# KiCad board OroLink.kicad_pcb (continued)
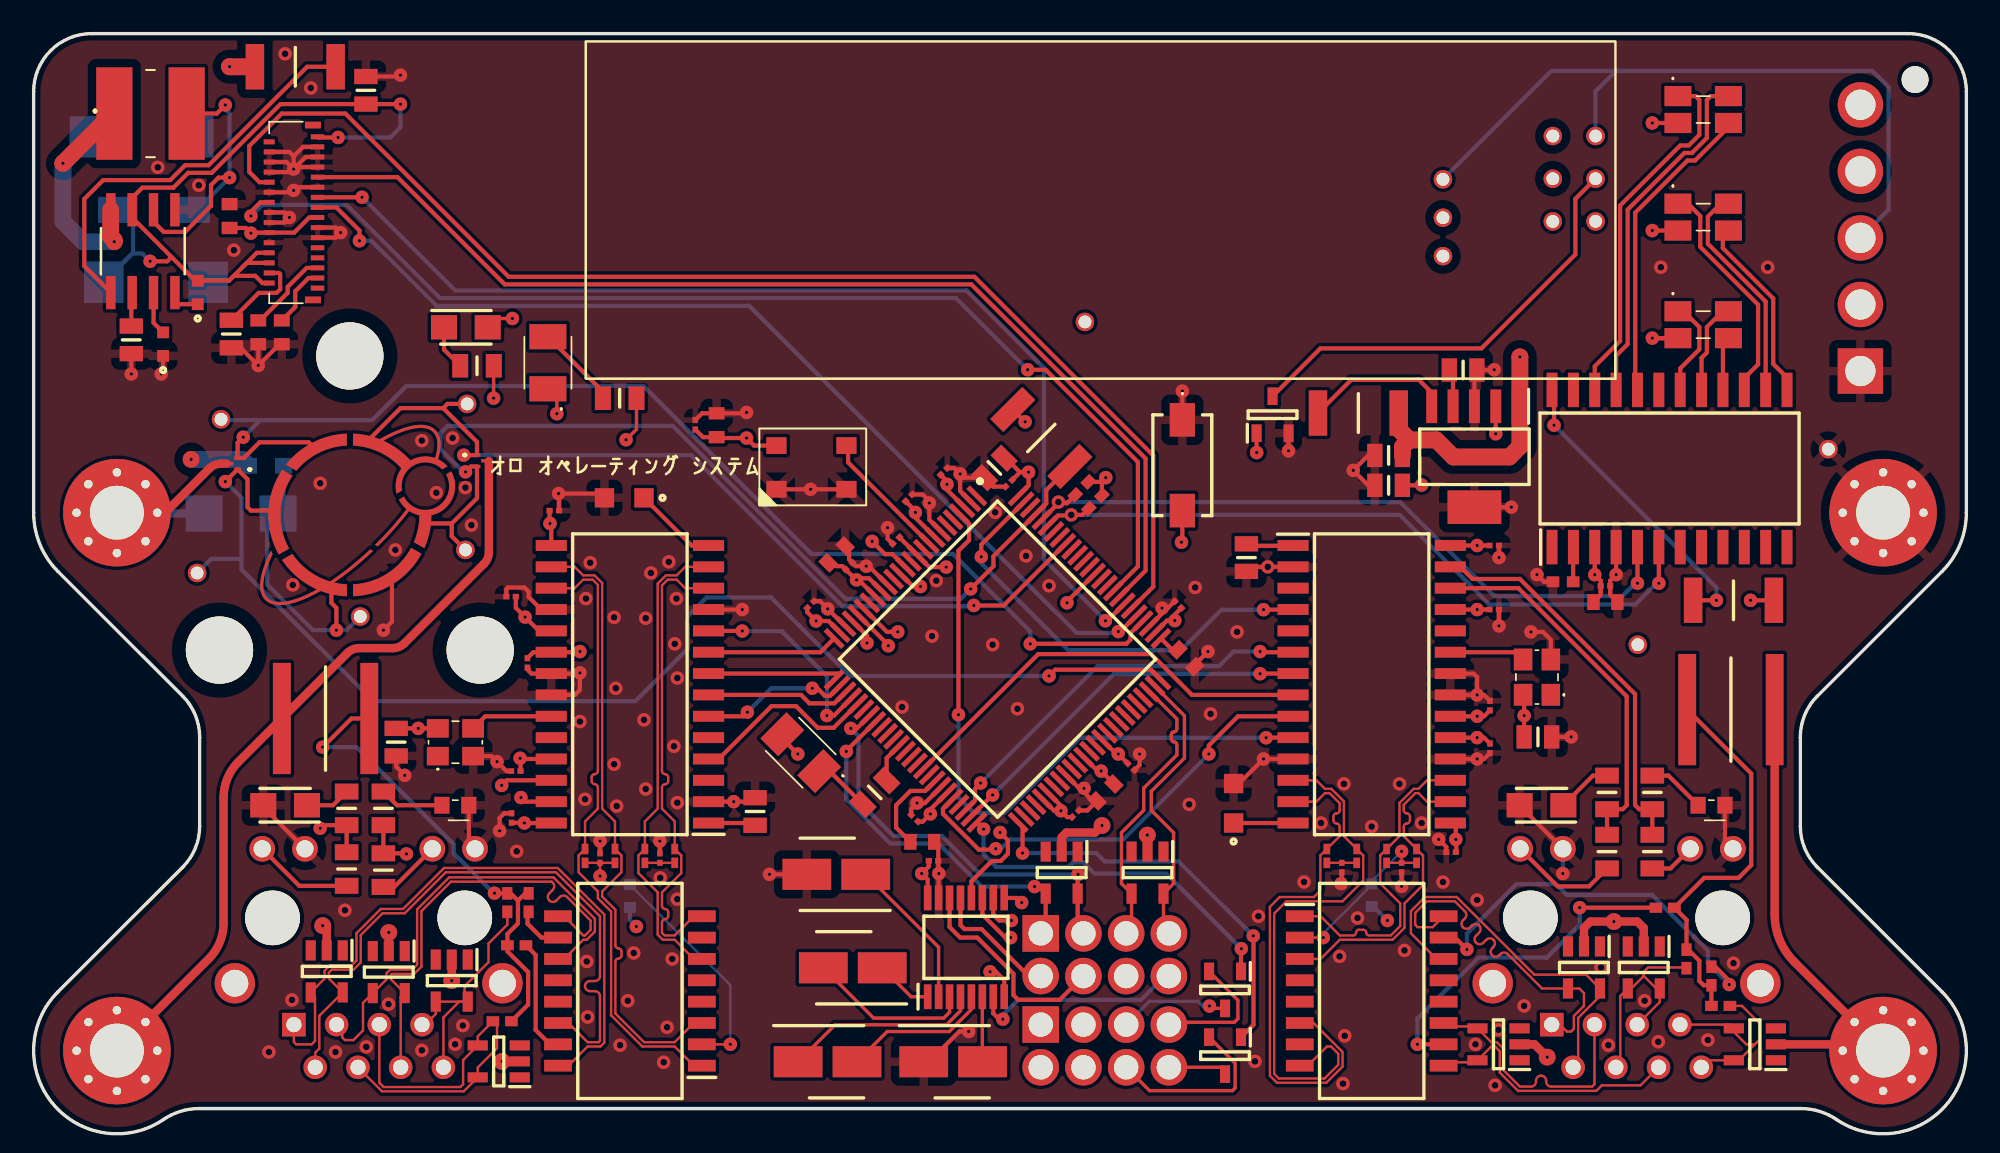
[diagram p0: board, top side]
## Library data of the parts (continued)
LED2 = -: Description: LED Uni-Color Violet 2-Pin SMD T/R; Arrow Price/Stock: https://www.arrow.com/en/products/aa3528vrvfsa/kingbright?region=nac; Height: 2.1; Manufacturer_Name: Kingbright; Mouser Part Number: 604-AA3528VRVFS/A; Mouser Price/Stock: https://www.mouser.co.uk/ProductDetail/Kingbright/AA3528VRVFS-A?qs=rY7msk5yxfb63mh907EyRA%3D%3D; Note: SYS PW ON FROM BUS
LED3 = -: Description: Cree CLM3C-WKW-CXAYA453, CLM3 Series White LED, 5500K, PLCC 2, Rectangle Lens SMD Package; Arrow Price/Stock: https://www.arrow.com/en/products/clm3c-wkw-cxaya453/cree; Height: 1.4; Manufacturer_Name: Wolfspeed; Mouser Part Number: 941-CLM3CWKWCXAYA453; Mouser Price/Stock: https://www.mouser.co.uk/ProductDetail/Cree-Inc/CLM3C-WKW-CXaYa453?qs=3AcK5DacLbr3ewaPKwAgNg%3D%3D; Note: SYS HDD ACT FROM BUS
LED4 LED6 = -: Description: Standard LEDs - SMD 1608 SMD LED Cyan; Arrow Part Number: APT1608VRCXF/A-5MAV; Arrow Price/Stock: https://www.arrow.com/en/products/apt1608vrcxfa-5mav/kingbright; Height: 0.6; Manufacturer_Name: Kingbright; Manufacturer_Part_Number: APT1608VRCXF/A-5MAV; Mouser Part Number: 604-APT1608VRCXF5MAV; Mouser Price/Stock: https://www.mouser.co.uk/ProductDetail/Kingbright/APT1608VRCXF-A-5MAV?qs=xhbEVWpZdWce9Oiwfj8Zmw%3D%3D
LED5 LED7 = -: Description: Cree CLM3C-WKW-CXAYA453, CLM3 Series White LED, 5500K, PLCC 2, Rectangle Lens SMD Package; Arrow Price/Stock: https://www.arrow.com/en/products/clm3c-wkw-cxaya453/cree; Height: 1.4; Manufacturer_Name: Wolfspeed; Mouser Part Number: 941-CLM3CWKWCXAYA453; Mouser Price/Stock: https://www.mouser.co.uk/ProductDetail/Cree-Inc/CLM3C-WKW-CXaYa453?qs=3AcK5DacLbr3ewaPKwAgNg%3D%3D
LED8 = -: Description: Standard LEDs - SMD WL-SFCW SMT Full-color Chip LED waterclear 1206 RGB; Height: 0.85; Manufacturer_Name: Wurth Elektronik; Mouser Part Number: 710-150120M173000; Mouser Price/Stock: https://www.mouser.co.uk/ProductDetail/Wurth-Elektronik/150120M173000?qs=GedFDFLaBXG2uqjQCP7dEg%3D%3D; Note: STATUS
LED9 = -: Description: Standard LEDs - SMD WL-SFCW SMT Full-color Chip LED waterclear 1206 RGB; Height: 0.85; Manufacturer_Name: Wurth Elektronik; Mouser Part Number: 710-150120M173000; Mouser Price/Stock: https://www.mouser.co.uk/ProductDetail/Wurth-Elektronik/150120M173000?qs=GedFDFLaBXG2uqjQCP7dEg%3D%3D; Note: LINK
LED10 = -: Description: Standard LEDs - SMD WL-SFCW SMT Full-color Chip LED waterclear 1206 RGB; Height: 0.85; Manufacturer_Name: Wurth Elektronik; Mouser Part Number: 710-150120M173000; Mouser Price/Stock: https://www.mouser.co.uk/ProductDetail/Wurth-Elektronik/150120M173000?qs=GedFDFLaBXG2uqjQCP7dEg%3D%3D; Note: ACT
Q1-Q3 = -: Description: 12V, N ch NexFET MOSFET, single LGA0.6x0.7, 76mOhm; Arrow Price/Stock: https://www.arrow.com/en/products/pmv20enr/nexperia?region=nac; Height: 1.1; Manufacturer_Name: Nexperia; Mouser Part Number: 771-PMV20ENR; Mouser Price/Stock: https://www.mouser.co.uk/ProductDetail/Nexperia/PMV20ENR?qs=sV%252BQJnSpgu%2FSnnW%252BQ4V7GA%3D%3D
R1 R2 = -: Description: YAGEO - RC2512FK-074K7L - SMD Chip Resistor, 2512 [6432 Metric], 4.7 kohm, RC Series, 200 V, Thick Film, 1 W; Arrow Part Number: RC2512FK-074K7L; Arrow Price/Stock: https://www.arrow.com/en/products/rc2512fk-074k7l/yageo?region=nac; Height: 0.4; Manufacturer_Name: MULTICOMP; Manufacturer_Part_Number: MCWR04X4701FTL; Mouser Part Number: 603-RC2512FK-074K7L; Mouser Price/Stock: https://www.mouser.co.uk/ProductDetail/YAGEO/RC2512FK-074K7L?qs=WeK9NnMzqvc8ESUIkdEI3A%3D%3D
R3 R5 R8 R36 = -: Description: Res Thick Film 2010 10K Ohm 5% 0.75W(3/4W) +/-100ppm/C Pad SMD T/R; Arrow Part Number: RC2010JK-0710KL; Arrow Price/Stock: https://www.arrow.com/en/products/rc2010jk-0710kl/yageo; Height: 0.65; Manufacturer_Name: KEMET; Manufacturer_Part_Number: RC2010JK-0710KL; Mouser Part Number: 603-RC2010JK-0710KL; Mouser Price/Stock: https://www.mouser.co.uk/ProductDetail/YAGEO/RC2010JK-0710KL?qs=sNpmnPgvziOLj5uuquGIow%3D%3D
R4 R6 R7 R20 R21 R33 R34 = -: Description: Thick Film Resistors - SMD 0.25W 1Kohm 5% 200ppm Anti-Pulse; Height: 0.6; Manufacturer_Name: KOA Speer; Manufacturer_Part_Number: SG73P2ATTD102J; Mouser Part Number: 660-SG73P2ATTD102J; Mouser Price/Stock: https://www.mouser.com/Search/Refine.aspx?Keyword=660-SG73P2ATTD102J
R9 R22 = -: Description: Thick Film Resistors - SMD 0805 2.32Kohms 0.5W 1% AEC-Q200; Height: 0.7; Manufacturer_Name: Panasonic; Manufacturer_Part_Number: ERJ-P06F2321V; Mouser Part Number: 667-ERJ-P06F2321V; Mouser Price/Stock: https://www.mouser.com/Search/Refine.aspx?Keyword=667-ERJ-P06F2321V
R10-R13 R23-R26 = -: Description: RES, 0201, 49.9 ohm, 1%, 0.05W; Height: 0.26; Manufacturer_Name: Stackpole Electronics, Inc.; Mouser Part Number: 708-RMCF0201FT49R9; Mouser Price/Stock: https://www.mouser.de/ProductDetail/SEI-Stackpole/RMCF0201FT49R9
R14-R17 R27-R30 = -: Description: Thick Film Resistors - SMD 1/16watts 75ohms 1%; Height: 0.4; Manufacturer_Name: KOA Speer; Manufacturer_Part_Number: RK73H1ETTP75R0F; Mouser Part Number: 660-RK73H1ETTP75R0F; Mouser Price/Stock: https://www.mouser.co.uk/ProductDetail/KOA-Speer/RK73H1ETTP75R0F?qs=wUWquvs7oCIcRElcVFlmog%3D%3D
R18 R19 R31 R32 = -: Description: 470 Ohms +/-1% 0.125W, 1/8W Chip Resistor 0805 (2012 Metric) Automotive AEC-Q200, Moisture Resistant Thick Film; Height: 0.6; Manufacturer_Name: YAGEO; Manufacturer_Part_Number: AC0805FR-07470RL
R35 = -: Description: 5.6k 0402 Thick Film Resistor +/-1% 0.12W CRGP0402F5K6; Height: 0.4; Manufacturer_Name: TE Connectivity; Manufacturer_Part_Number: CRGP0402F5K6
S1 = -: Description: Tactile Switch SPST-NO Top Actuated Surface Mount; Height: 4.3; Manufacturer_Name: E-Switch; Mouser Part Number: 612-TL6400AF160QJ; Mouser Price/Stock: https://www.mouser.co.uk/ProductDetail/E-Switch/TL6400AF160QJ?qs=t7xnP681wgXh9NC1jPxNOA%3D%3D; Note: RESET
S2 = -: Height: 11; Manufacturer_Name: Apem; Mouser Part Number: 642-25146NAH; Mouser Price/Stock: https://www.mouser.de/ProductDetail/Apem/25146NAH?qs=VdTcGPmBZ7CcCI6d5wYFGg%3D%3D
T1 T2 = -: Description: Telecom Transformer 1CT:1CT 0.6Ohm Prim. DCR 1.1Ohm -1.15dB Surface Mount - Tape and Reel PT61017XPEL LAN 10/100 Base-Tx; Arrow Price/Stock: https://www.arrow.com/en/products/pt61017xpel/bourns?region=nac; Height: 5.7; Manufacturer_Name: Bourns; Mouser Part Number: 652-PT61017XPEL; Mouser Price/Stock: https://www.mouser.co.uk/ProductDetail/Bourns/PT61017XPEL?qs=y02iAgv9n61CWKPJbJQxRQ%3D%3D
X1 = -: Description: Standard Clock Oscillators 26MHz 3.3Volt .28ppm -40C +85C; Manufacturer_Name: TXC Corporation; Mouser Part Number: 717-7P-26.000MBP-T; Mouser Price/Stock: https://www.mouser.de/ProductDetail/TXC-Corporation/7P-26.000MBP-T
Y1 Y2 = -: Description: ASE-25.000MHZ-LC-T Crystal Oscillator, 25 MHz, +/-50ppm CMOS 15pF, 4-Pin SMD, 3.2 x 2.5 x 1.2mm; Arrow Part Number: ASE-25.000MHZ-LC-T; Arrow Price/Stock: https://www.arrow.com/en/products/ase-25.000mhz-lc-t/abracon; Height: 1; Manufacturer_Name: ABRACON; Manufacturer_Part_Number: ASE-25.000MHZ-LC-T; Mouser Part Number: 815-ASE25.000MHZLCT; Mouser Price/Stock: https://www.mouser.co.uk/ProductDetail/ABRACON/ASE-25.000MHZ-LC-T?qs=ShQ8XZQtgRuW6p4KtHOZPQ%3D%3D

## Footprints (pads in the part's own frame, mm; a bottom-side part is the same pattern mirrored in y, then rotated)
7P-26.000MBP-T
  rrect 1.2x1 smd: 1(1.016,-3.616)
  rect 1.2x1 smd: 3(5.176,-3.616) 4(5.176,-1.016) 6(1.016,-1.016)
25146NAH
  round 1.1 hole 0.762: 1(4.98,-4.51) 2(7.52,-4.51) 3(4.98,-7.05) 4(7.52,-7.05) 5(4.98,-9.59) 6(7.52,-9.59)
150120M173000
  rect 1.6x1.2 smd: 1(-1.5,0.8) 2(-1.5,-0.8) 3(1.5,-0.8) 4(1.5,0.8)
323287241
  rect 0.3x0.8 smd: 1(-4.5,-1.4) 3(-3.9,-1.4) 5(-3.3,-1.4) 7(-2.7,-1.4) 9(-2.1,-1.4) 11(-1.5,-1.4) 13(-0.9,-1.4) 15(-0.3,-1.4) 17(0.3,-1.4) 19(0.9,-1.4) 21(1.5,-1.4) 23(2.1,-1.4) 25(2.7,-1.4) 27(3.3,-1.4) 29(3.9,-1.4) 31(4.5,-1.4)
  rect 0.3x0.65 smd: 2(-4.2,1.475) 4(-3.6,1.475) 6(-3,1.475) 8(-2.4,1.475) 10(-1.8,1.475) 12(-1.2,1.475) 14(-0.6,1.475) 16(0,1.475) 18(0.6,1.475) 20(1.2,1.475) 22(1.8,1.475) 24(2.4,1.475) 26(3,1.475) 28(3.6,1.475) 30(4.2,1.475)
  rect 0.4x0.95 smd: MP1(-5.2,-1.125) MP2(5.2,-1.125)
AA3528VRVFSA
  rect 1.5x2.2 smd: 1(-1.55,0) 2(1.55,0)
APT1608VRCXFA5MAV
  rect 0.9x1 smd: 1(-0.8,0) 2(0.8,0)
ASE24576MHZLCT
  rect 1.3x1.1 smd: 1(-1.05,-0.825) 2(1.05,-0.825) 3(1.05,0.825) 4(-1.05,0.825)
BLM18EG121SH1D
  rect 0.65x0.7 smd: 1(-0.675,0) 2(0.675,0)
C1608_Commercial_Tight
  rect 0.7x0.7 smd: 1(0.6,-0.75) 2(2,-0.75)
CAPAE430X610N
  rect 2.9x1.85 smd: 1(-1.75,0) 2(1.75,0)
CAPC0402X22N
  rect 0.365x0.33 smd: 1(-0.282,0) 2(0.282,0)
CAPC1608X90N
  rect 0.73x0.94 smd: 1(-0.71,0) 2(0.71,0)
CAPC2012X75N
  rect 0.91x1.39 smd: 1(-0.82,0) 2(0.82,0)
CAPC2012X135N
  rect 0.91x1.39 smd: 1(-0.82,0) 2(0.82,0)
CAPC5664X270N
  rect 1.06x6.62 smd: 1(-2.6,0) 2(2.6,0)
CAPPM7343X310N
  rect 2.35x2.45 smd: 1(-3.1,0) 2(3.1,0)
CD54NP180MC
  rect 5.5x2.15 smd: 1(0,-2.15) 2(0,2.15)
CLM3CWKWCXAYA453
  rect 1.55x1.45 smd: 1(-1.3,0) 2(1.3,0)
DebugPin
  round 1.1 hole 0.762: 1(0,0)
DF635P396DSA
  round 1.6 hole 1.6 unplated: (17.34,3.25)
  rect 2.7x2.7 hole 1.8: 1(0,0)
  round 2.7 hole 1.8: 2(3.96,0) 3(7.92,0) 4(11.88,0) 5(15.84,0)
DIOM5227X250N
  rect 2.35x1.55 smd: 1(-2.15,0) 2(2.15,0)
DIOM5436X244N
  rect 2.2x2.15 smd: 1(-2.2,0) 2(2.2,0)
ERJP06__0805_
  rect 1.15x1.15 smd: 1(-1.175,0) 2(1.175,0)
HDRV8W89P254_2X4_1016X483X858P
  rect 2.175x2.175 hole 1.45: 1(0,0)
  round 2.175 hole 1.45: 2(0,2.54) 3(2.54,0) 4(2.54,2.54) 5(5.08,0) 6(5.08,2.54) 7(7.62,0) 8(7.62,2.54)
JXD20Z10NL
  round 3.25 hole 3.25 unplated: (-10.16,6.35) (1.27,6.35)
  rect 1.4x1.4 hole 0.9: 1(0,0)
  round 1.4 hole 0.9: 2(-1.27,-2.54) 3(-2.54,0) 4(-3.81,-2.54) 5(-5.08,0) 6(-6.35,-2.54) 7(-7.62,0) 8(-8.89,-2.54)
  round 1.53 hole 1.02: 9(1.88,10.46) 10(-0.66,10.46) 11(-8.23,10.46) 12(-10.77,10.46)
  round 2.4 hole 1.6: MH1(3.51,2.46) MH2(-12.4,2.46)
MountingHole_3.2mm_M3_Pad_Via
  round 0.8 hole 0.5: 1(-2.4,0) 1(-1.697,1.697) 1(-1.697,-1.697) 1(0,2.4) 1(0,-2.4) 1(1.697,1.697) 1(1.697,-1.697) 1(2.4,0)
  round 6.4 hole 3.2: 1(0,0)
OroConn6p_WithMounts
  round 4 hole 4 unplated: (-7.75,-8) (0,9.5) (7.75,-8)
  custom 0.5x0.5 smd: 1(-1.107,-4.298) 2(2.5,-3.6) 3(4.4,-0.5) 4(1.015,4.408) 5(-2.1,4) 6(-4.5,0.3)
QFP50P1600X1600X160-100N
  rect 1.475x0.3 smd: 1(-7.738,6) 2(-7.738,5.5) 3(-7.738,5) 4(-7.738,4.5) 5(-7.738,4) 6(-7.738,3.5) 7(-7.738,3) 8(-7.738,2.5) 9(-7.738,2) 10(-7.738,1.5) 11(-7.738,1) 12(-7.738,0.5) 13(-7.738,0) 14(-7.738,-0.5) 15(-7.738,-1) 16(-7.738,-1.5) 17(-7.738,-2) 18(-7.738,-2.5) 19(-7.738,-3) 20(-7.738,-3.5) 21(-7.738,-4) 22(-7.738,-4.5) 23(-7.738,-5) 24(-7.738,-5.5) 25(-7.738,-6) 51(7.738,-6) 52(7.738,-5.5) 53(7.738,-5) 54(7.738,-4.5) 55(7.738,-4) 56(7.738,-3.5) 57(7.738,-3) 58(7.738,-2.5) 59(7.738,-2) 60(7.738,-1.5) 61(7.738,-1) 62(7.738,-0.5) 63(7.738,0) 64(7.738,0.5) 65(7.738,1) 66(7.738,1.5) 67(7.738,2) 68(7.738,2.5) 69(7.738,3) 70(7.738,3.5) 71(7.738,4) 72(7.738,4.5) 73(7.738,5) 74(7.738,5.5) 75(7.738,6)
  rect 0.3x1.475 smd: 26(-6,-7.738) 27(-5.5,-7.738) 28(-5,-7.738) 29(-4.5,-7.738) 30(-4,-7.738) 31(-3.5,-7.738) 32(-3,-7.738) 33(-2.5,-7.738) 34(-2,-7.738) 35(-1.5,-7.738) 36(-1,-7.738) 37(-0.5,-7.738) 38(0,-7.738) 39(0.5,-7.738) 40(1,-7.738) 41(1.5,-7.738) 42(2,-7.738) 43(2.5,-7.738) 44(3,-7.738) 45(3.5,-7.738) 46(4,-7.738) 47(4.5,-7.738) 48(5,-7.738) 49(5.5,-7.738) 50(6,-7.738) 76(6,7.738) 77(5.5,7.738) 78(5,7.738) 79(4.5,7.738) 80(4,7.738) 81(3.5,7.738) 82(3,7.738) 83(2.5,7.738) 84(2,7.738) 85(1.5,7.738) 86(1,7.738) 87(0.5,7.738) 88(0,7.738) 89(-0.5,7.738) 90(-1,7.738) 91(-1.5,7.738) 92(-2,7.738) 93(-2.5,7.738) 94(-3,7.738) 95(-3.5,7.738) 96(-4,7.738) 97(-4.5,7.738) 98(-5,7.738) 99(-5.5,7.738) 100(-6,7.738)
RCLAMP3552TTNT
  rect 0.2x0.4 smd: 1(-0.34,-0.225) 2(0.34,-0.225) 3(0,0.225)
RESC0603X26N
  rect 0.625x0.4 smd: 1(-0.412,0) 2(0.412,0)
RESC1005X40N
  rect 0.75x0.6 smd: 1(-0.55,0) 2(0.55,0)
RESC1105X40N
  rect 0.75x0.65 smd: 1(-0.6,0) 2(0.6,0)
RESC2012X60N
  rect 0.95x1.4 smd: 1(-1,0) 2(1,0)
RESC5025X65N
  rect 1.1x2.7 smd: 1(-2.4,0) 2(2.4,0)
SODFL2514X80N
  rect 1.02x0.92 smd: 1(-1.05,0) 2(1.05,0)
SOIC127P600X175-8N
  rect 1.981x0.559 smd: 1(-2.464,1.905) 2(-2.464,0.635) 3(-2.464,-0.635) 4(-2.464,-1.905) 5(2.464,-1.905) 6(2.464,-0.635) 7(2.464,0.635) 8(2.464,1.905)
SOIC127P930X570-16N
  rect 1.65x0.7 smd: 1(-4.275,4.445) 2(-4.275,3.175) 3(-4.275,1.905) 4(-4.275,0.635) 5(-4.275,-0.635) 6(-4.275,-1.905) 7(-4.275,-3.175) 8(-4.275,-4.445) 9(4.275,-4.445) 10(4.275,-3.175) 11(4.275,-1.905) 12(4.275,-0.635) 13(4.275,0.635) 14(4.275,1.905) 15(4.275,3.175) 16(4.275,4.445)
SOIC127P1030X265-28N
  rect 1.85x0.65 smd: 1(-4.675,8.255) 2(-4.675,6.985) 3(-4.675,5.715) 4(-4.675,4.445) 5(-4.675,3.175) 6(-4.675,1.905) 7(-4.675,0.635) 8(-4.675,-0.635) 9(-4.675,-1.905) 10(-4.675,-3.175) 11(-4.675,-4.445) 12(-4.675,-5.715) 13(-4.675,-6.985) 14(-4.675,-8.255) 15(4.675,-8.255) 16(4.675,-6.985) 17(4.675,-5.715) 18(4.675,-4.445) 19(4.675,-3.175) 20(4.675,-1.905) 21(4.675,-0.635) 22(4.675,0.635) 23(4.675,1.905) 24(4.675,3.175) 25(4.675,4.445) 26(4.675,5.715) 27(4.675,6.985) 28(4.675,8.255)
SOIC127P1036X265-24N
  rect 2.05x0.65 smd: 1(-4.675,6.985) 2(-4.675,5.715) 3(-4.675,4.445) 4(-4.675,3.175) 5(-4.675,1.905) 6(-4.675,0.635) 7(-4.675,-0.635) 8(-4.675,-1.905) 9(-4.675,-3.175) 10(-4.675,-4.445) 11(-4.675,-5.715) 12(-4.675,-6.985) 13(4.675,-6.985) 14(4.675,-5.715) 15(4.675,-4.445) 16(4.675,-3.175) 17(4.675,-1.905) 18(4.675,-0.635) 19(4.675,0.635) 20(4.675,1.905) 21(4.675,3.175) 22(4.675,4.445) 23(4.675,5.715) 24(4.675,6.985)
SOP65P640X120-16N
  rect 1.475x0.45 smd: 1(-2.938,2.275) 2(-2.938,1.625) 3(-2.938,0.975) 4(-2.938,0.325) 5(-2.938,-0.325) 6(-2.938,-0.975) 7(-2.938,-1.625) 8(-2.938,-2.275) 9(2.938,-2.275) 10(2.938,-1.625) 11(2.938,-0.975) 12(2.938,-0.325) 13(2.938,0.325) 14(2.938,0.975) 15(2.938,1.625) 16(2.938,2.275)
SOT95P230X110-3N
  rect 1.05x0.6 smd: 1(-1.1,0.95) 2(-1.1,-0.95) 3(1.1,0)
SOT95P280X145-5N
  rect 1.2x0.6 smd: 1(-1.25,0.95) 2(-1.25,0) 3(-1.25,-0.95) 4(1.25,-0.95) 5(1.25,0.95)
SOT127P706X180-6N
  rect 2x0.65 smd: 1(-3,2.54) 2(-3,1.27) 3(-3,0) 4(-3,-1.27) 5(-3,-2.54)
  rect 2x3.2 smd: 6(3,0)
TL6400AF160QJ
  rect 2x1.5 smd: 1(-2.7,0) 2(2.7,0)

## Nets
+3V3: C1.2 C2.2 C4.1 C7.2 C8.2 C9.2 C10.2 C11.2 C12.2 C13.2 C14.2 C15.1 C16.2 C17.2 C20.2 C24.2 C32.1 C36.1 C37.1 C38.1 C39.1 C40.1 C42.1 C46.1 C47.1 C48.1 C49.1 C50.1 C54.1 C56.1 C57.2 DBG35.1 FB2.1 FB3.1 IC1.3 IC1.8 IC1.17 IC1.18 IC1.24 IC1.45 IC1.55 IC1.56 IC1.62 IC1.65 IC1.77 IC1.100 IC2.2 IC4.15 IC4.19 IC4.20 IC4.25 IC4.28 IC5.15 IC5.19 IC5.20 IC5.25 IC5.28 IC6.16 IC7.3 J4.12 J4.15 LED1.2 LED8.2 LED9.2 LED10.2 R1.1 R2.1 R3.1 R36.1 X1.6 Y1.4 Y2.4
+5V: C18.1 C29.1 D12.1 DBG33.1 FB1.1 IC2.1 IC3.8 J2.4 R5.1 R8.2 S2.2
/OLED Socket/+12V: C23.1 C28.2 C30.1 D3.1 IC3.7 J4.2 J4.6 J4.8 J4.31
/Power Supply/5VSB: DBG34.1 J2.5 S2.4
/SWD Pad/VCC: D12.2 D14.1 DBG39.1 J7.1
GND: C1.1 C2.1 C3.2 C4.2 C5.2 C6.2 C7.1 C8.1 C9.1 C10.1 C11.1 C12.1 C13.1 C14.1 C15.2 C16.1 C17.1 C18.2 C19.1 C20.1 C21.1 C22.1 C23.2 C24.1 C25.1 C26.1 C27.1 C29.2 C30.2 C31.1 C32.2 C33.2 C34.2 C36.2 C37.2 C38.2 C39.2 C40.2 C41.1 C42.2 C43.2 C44.2 C46.2 C47.2 C48.2 C49.2 C50.2 C53.2 C54.2 C55.1 C56.2 C57.1 DBG1.1 H4.1 IC1.2 IC1.7 IC1.16 IC1.23 IC1.44 IC1.59 IC1.78 IC2.3 IC2.6 IC3.5 IC4.2 IC4.11 IC4.18 IC4.21 IC4.22 IC5.2 IC5.11 IC5.18 IC5.21 IC5.22 IC6.15 IC7.4 J2.1 J4.10 J4.11 J4.13 J4.14 J4.16 J4.20 J4.21 J4.24 J4.25 J4.26 J4.27 J4.28 J4.29 J5.10 J5.12 J6.10 J6.12 J7.2 LED4.1 LED5.2 LED6.1 LED7.2 Q1.2 R9.2 R22.2 R35.1 S1.1 X1.1 X1.3 Y1.2 Y2.2
GNDPWR: C35.1 C45.1 D1.2 D2.2 D4.2 D5.2 D6.2 D7.2 D8.2 D9.2 D10.2 D11.2 D13.3 D14.2 D15.3 H1.1 H2.1 H3.1 J5.MH1 J5.MH2 J6.MH1 J6.MH2
/COM Bus Header/C1+: C51.1 IC6.1
/COM Bus Header/C1-: C51.2 IC6.3
/COM Bus Header/C2+: C52.1 IC6.4
/COM Bus Header/C2-: C52.2 IC6.5
/COM Bus Header/CTS: IC1.87 IC6.9
/COM Bus Header/RS232_CTS: IC6.8 J1.6
/COM Bus Header/RS232_RTS: IC6.7 J1.8
/COM Bus Header/RS232_RX: IC6.13 J1.2
/COM Bus Header/RS232_TX: IC6.14 J1.4
/COM Bus Header/RTS: IC1.20 IC6.10
/COM Bus Header/RX: IC1.22 IC6.12
/COM Bus Header/TX: IC1.21 IC6.11
/COM Bus Header/V+: C53.1 IC6.2
/COM Bus Header/V-: C55.2 IC6.6
/External Ethernet/CS: IC1.46 IC5.9
/External Ethernet/CT_45: D10.4 D10.5 J6.4 J6.5 R29.1
/External Ethernet/CT_78: D11.4 D11.5 J6.7 J6.8 R30.1
/External Ethernet/GLED+: IC5.27 R32.2 R34.2
/External Ethernet/RX+: D9.4 J6.3 T2.11
/External Ethernet/RX-: D9.5 J6.6 T2.9
/External Ethernet/SCK: IC1.41 IC5.8
/External Ethernet/SDI: IC1.49 IC5.7
/External Ethernet/SDO: IC1.48 IC5.6
/External Ethernet/TPIN+: IC5.13 R25.1 T2.6
/External Ethernet/TPIN-: IC5.12 R26.1 T2.8
/External Ethernet/TPOUT+: IC5.17 R23.1 T2.1
/External Ethernet/TPOUT-: IC5.16 R24.1 T2.3
/External Ethernet/TX+: D8.4 J6.1 T2.16
/External Ethernet/TX-: D8.5 J6.2 T2.14
/External Ethernet/YLED+: IC5.26 R31.2 R33.2
/External Ethernet/~{INT}: IC1.99 IC5.4
/External Ethernet/~{RST}: IC1.4 IC5.10
/Front Panel Client/HDD+: J3.4 R7.1
/Front Panel Client/HDD-: J3.2 LED3.2
/Front Panel Client/PLED+: J3.1 R6.2
/Front Panel Client/PLED-: J3.3 LED2.1
/Front Panel Client/PWR+: J3.5 Q2.3
/Front Panel Client/PWR-: J3.7 Q2.2
/Front Panel Client/PWR_ON: IC1.50 Q2.1
/Front Panel Client/RESET: IC1.51 Q3.1
/Front Panel Client/RST+: J3.8 Q3.3
/Front Panel Client/RST-: J3.6 Q3.2
/Indicator Lights/O1: IC7.7
/Indicator Lights/O2: IC7.8
/Indicator Lights/O3: IC7.9
/Indicator Lights/O4: IC7.10
/Indicator Lights/O5: IC7.11
/Indicator Lights/O6: IC7.12
/Indicator Lights/O7: IC7.13 LED9.3
/Indicator Lights/O8: IC7.14 LED9.4
/Indicator Lights/O9: IC7.15 LED9.1
/Indicator Lights/O10: IC7.16 LED10.3
/Indicator Lights/O11: IC7.17 LED10.4
/Indicator Lights/O12: IC7.18 LED10.1
/Indicator Lights/O13: IC7.19
/Indicator Lights/O14: IC7.20 LED8.3
/Indicator Lights/O15: IC7.21 LED8.4
/Indicator Lights/O16: IC7.22 LED8.1
/Indicator Lights/O17: IC7.23
/Indicator Lights/O18: IC7.1
/Indicator Lights/SCL: IC1.95 IC7.6 R1.2
/Indicator Lights/SDA: IC1.96 IC7.5 R2.2
/Microcontroller/DBGUART_RX: D1.5 IC1.32 J1.3
/Microcontroller/DBGUART_TX: D1.4 IC1.33 J1.1
/Microcontroller/SYSETH_CS: IC1.25 IC4.9
/Microcontroller/SYSETH_MISO: IC1.27 IC4.6
/Microcontroller/SYSETH_SCK: IC1.26 IC4.8
/Microcontroller/SYSTEH_MOSI: IC1.28 IC4.7
/Microcontroller/SYSTEH_~{INT}: IC1.30 IC4.4
/Microcontroller/SYSTEH_~{RST}: IC1.29 IC4.10
/Microcontroller/USB_D+: D2.5 IC1.74 J1.7
/Microcontroller/USB_D-: D2.4 IC1.73 J1.5
/Microcontroller/VCAP1: C5.1 IC1.43
/Microcontroller/VCAP2: C6.1 IC1.76
/OLED Socket/CS: IC1.80 J4.17
/OLED Socket/DC: IC1.82 J4.19
/OLED Socket/EXTCAP: C21.2 J4.3
/OLED Socket/EXTCAP2: C25.2 J4.4
/OLED Socket/EXTCAP3: C22.2 J4.5
/OLED Socket/SCK: IC1.81 J4.22
/OLED Socket/SDI: IC1.83 J4.23
/OLED Socket/~{RST}: IC1.84 J4.18
/Power Supply/PSU_ON: DBG32.1 J2.3 S2.1
/Power Supply/PW_OK: DBG31.1 IC1.13 J2.2
/Power Supply/PW_ON: IC1.14 Q1.1
/SWD Pad/FLASH: D15.2 DBG43.1 IC1.97 J7.3 R3.2
/SWD Pad/SWCLK: D13.2 DBG41.1 IC1.79 J7.5
/SWD Pad/SWDIO: D13.1 DBG40.1 IC1.75 J7.6
/SWD Pad/SWO: D15.1 DBG42.1 IC1.92 J7.4
/System Ethernet/CT_45: D6.4 D6.5 J5.4 J5.5 R16.1
/System Ethernet/CT_78: D7.4 D7.5 J5.7 J5.8 R17.1
/System Ethernet/GLED+: IC4.27 R19.2 R21.2
/System Ethernet/RX+: D5.4 J5.3 T1.11
/System Ethernet/RX-: D5.5 J5.6 T1.9
/System Ethernet/TPIN+: IC4.13 R12.1 T1.6
/System Ethernet/TPIN-: IC4.12 R13.1 T1.8
/System Ethernet/TPOUT+: IC4.17 R10.1 T1.1
/System Ethernet/TPOUT-: IC4.16 R11.1 T1.3
/System Ethernet/TX+: D4.4 J5.1 T1.16
/System Ethernet/TX-: D4.5 J5.2 T1.14
/System Ethernet/YLED+: IC4.26 R18.2 R20.2
Net-(C33-Pad1): C33.1 R12.2 R13.2
Net-(C35-Pad2): C35.2 R14.2 R15.2 R16.2 R17.2
Net-(C43-Pad1): C43.1 R25.2 R26.2
Net-(C45-Pad2): C45.2 R27.2 R28.2 R29.2 R30.2
Net-(IC1-NRST): C3.1 IC1.11 S1.2
Net-(IC1-PE12): IC1.37 R4.1
Net-(IC1-PH0): IC1.9 X1.4
Net-(IC2-EN): IC2.5 R5.2
Net-(IC2-NR/FB): C19.2 IC2.4
Net-(IC3-COMP): C28.1 IC3.4
Net-(IC3-EN): IC3.1 R8.1
Net-(IC3-OUT): D3.2 FB1.2 IC3.6
Net-(IC3-REF): C26.2 IC3.2
Net-(IC3-SS): C27.2 IC3.3
Net-(IC4-OSC1): IC4.23 Y1.3
Net-(IC4-RBIAS): IC4.14 R9.1
Net-(IC4-VCAP): C31.2 IC4.1
Net-(IC5-OSC1): IC5.23 Y2.3
Net-(IC5-RBIAS): IC5.14 R22.1
Net-(IC5-VCAP): C41.2 IC5.1
Net-(IC7-R_EXT): IC7.2 R35.2
Net-(IC7-~{SDB}): IC7.24 R36.2
Net-(J5-A_GREEN): J5.11 R19.1
Net-(J5-A_YELLOW): J5.9 R18.1
Net-(J6-A_GREEN): J6.11 R32.1
Net-(J6-A_YELLOW): J6.9 R31.1
Net-(LED1-Pad1): LED1.1 R4.2
Net-(LED2-Pad2): LED2.2 R6.1
Net-(LED3-Pad1): LED3.1 R7.2
Net-(LED4-Pad2): LED4.2 R21.1
Net-(LED5-Pad1): LED5.1 R20.1
Net-(LED6-Pad2): LED6.2 R34.1
Net-(LED7-Pad1): LED7.1 R33.1
Net-(Q1-Pad3): Q1.3 S2.3
Net-(T1-CT_1): C34.1 FB2.2 R10.2 R11.2 T1.2
Net-(T1-CT_3): R14.1 T1.10
Net-(T1-CT_4): R15.1 T1.15
Net-(T2-CT_1): C44.1 FB3.2 R23.2 R24.2 T2.2
Net-(T2-CT_3): R27.1 T2.10
Net-(T2-CT_4): R28.1 T2.15

Pads without a net: D1 1 3; D2 1 3; D4 1 3; D5 1 3; D6 1 3; D7 1 3; D8 1 3; D9 1 3; D10 1 3; D11 1 3; IC1 1 5 6 10 12 15 19 31 34 35 36 38 39 40 42 47 52 53 54 57 58 60 61 63 64 66 67 68 69 70 71 72 85 86 88 89 90 91 93 94 98; IC4 3 5 24; IC5 3 5 24; J4 1 7 9 30 MP1 MP2; S2 5 6; T1 4 5 7 12 13; T2 4 5 7 12 13; Y1 1; Y2 1

## Via types
v1: diameter 0.8, hole 0.4, Top to Bottom, 93 vias
v2: diameter 0.8, hole 0.2, Top to Bottom, 168 vias
v3: diameter 1, hole 0.2, Top to Bottom, 13 vias

## Routing (per net, layer and track width the routed paths; a pad name or vN(x,y) marks a point on that pad's centre or on a via; arc(x,y) is an arc through that point)
+3V3: length 94.3
  Top w0.25: C2.2 39.79,41.45 C1.2 ; 29.56,28.5 29.44,28.39 ; v2(85.82,35) C46.1 ; v2(96.23,53.74) LED9.2 ; v2(96.23,47.34) LED10.2 96.26,47.34 96.23,47.36 ; C42.1 v2(88.61,24.88) 88.61,26.06 ; v2(48.92,32.95) 48.9,32.95 C16.2 48.08,33.77 47.72,33.77 47.52,33.97 ; v2(48.92,32.95) 49.05,32.95 IC1.18 ; v2(48.92,32.95) 49.01,33.05 49.67,33.05 IC1.17 ; C57.2 93.16,32.06 C56.1 ; IC5.25 85.77,31.19 85.82,31.23 ; IC4.25 28.96,22.3 v2(28.92,22.34) 28.95,22.32 C39.1 ; 58.64,39.36 v2(59.15,39.36) 59.15,38.57 IC1.100 ; 58.64,39.36 58.24,39.76 ; 58.64,39.36 C7.2 ; IC1.24 47.26,30.51 46.52,30.51 v2(46.52,30.51) 45.99,31.04 C10.2 ; v2(86.92,41.65) 86.92,41.56 IC2.2 ; X1.6 42.83,40.95 v2(42.38,41.39) 40.66,41.39 ; C50.1 86.22,24.84 v2(85.82,24.84) ; 85.56,35.04 85.52,35 IC5.28 ; v2(61.07,19.22) 60.67,19.22 IC1.55 ; v2(61.07,19.22) 61.45,18.84 C13.2 ; v2(61.07,19.22) 61.07,19.52 IC1.56 ; IC1.62 63.26,21.58 v2(63.46,21.58) 64.22,20.82 ; C12.2 v2(64.48,22.6) 64.36,22.6 IC1.65 ; IC1.77 67.38,30.54 v2(67.84,30.54) 67.84,30.89 C8.2 ; 92.93,33.05 92.93,33.01 92.81,33.13 ; v2(29.17,18.49) 29.16,18.51 C36.1 ; 29.15,18.51 29.17,18.53 29.22,18.49 IC4.28 ; IC1.3 54.3,38.32 v2(54.3,38.64) 54.3,38.83 C14.2 ; 58.21,43.09 v2(58.94,42.36) ; R1.1 63.51,38.81 v2(63.74,39.04) 63.48,38.78 R2.1 ; R36.1 v2(102.07,31.74) ; C37.1 30.67,36.34 v2(30.7,36.31) 30.77,36.24 IC4.15 ; IC5.19 85.77,23.57 85.82,23.61 ; C54.1 53.22,15.91 v2(52.8,15.49) 53.15,15.13 IC6.16 ; IC1.45 53.31,19.3 v2(53.31,19.03) 52.85,18.57 C11.2 ; 84.55,18.53 84.55,17.52 v2(84.55,17.52) 84.57,17.49 84.57,16.76 ; C48.1 86.22,23.57 v2(85.82,23.57) ; 30.04,29.92 v2(29.22,30.74) 28.67,31.29 28.67,31.97 ; 93.16,32.2 93.16,32.91 v2(92.81,33.27) IC7.3 ; C32.1 v2(22.86,24.12) Y1.4 ; IC1.8 52.42,36.66 v2(52.42,36.97) 52.42,37.05 C9.2 ; 85.82,24.88 85.77,24.84 IC5.20 ; v2(82.51,38.6) 82.5,38.58 C20.2 ; 29.59,28.53 29.71,28.65 IC4.20 32.43,28.65 v2(32.48,28.69) ; C49.1 v2(85.82,31.19) ; v2(96.23,60.14) LED8.2 ; C24.2 12.61,53.89 v2(12.92,53.59) 12.95,53.61 J4.12 15.49,53.61 16.39,54.51 J4.15 ; 44.51,23.52 v2(45.43,22.6)
  Bottom w0.25: FB2.1 35.45,12.72 v2(35.83,12.34) ; 79.65,13.52 v2(80.48,12.69)
+5V: length 186.3
  Top w1: v3(4.79,53.08) 4.79,53.16 4.58,53.37 4.58,54.97 ; v3(88.36,46.22) 88.36,40.89 87.74,40.27 84.4,40.27 83.39,41.28 81.79,41.28 ; C18.1 81.37,40.87 81.79,41.28 ; 81.79,41.28 81.15,41.92 R5.1 ; R8.2 11.66,63.48 v3(11.65,63.49) ; 4.7,60.7 v3(1.74,57.74)
  In2.Cu w1: v3(9.36,40.12) 8.09,41.39 6.06,41.39 3.77,43.68 3.77,46.47 4.79,47.49 v3(4.79,53.08) ; v3(4.79,53.08) 8.6,53.08 10.89,50.79 83.78,50.79 ; v3(4.79,53.08) 4.79,56.63 v3(11.65,63.49) ; J2.4 107.79,58.07 91.6,58.07 ; 91.6,58.07 91.6,49.97 88.36,46.73 v3(88.36,46.22) 83.78,50.79 ; 91.6,58.07 S2.2 ; 83.78,50.79 DBG33.1
  Bottom w1: v3(4.79,53.08) 2.94,53.08 1.74,54.28 v3(1.74,57.74) C29.1 ; D12.1 12.39,40.12 v3(9.36,40.12)
/OLED Socket/+12V: length 48.2
  Top w0.25: J4.6 12.67,51.81 12.41,51.55 ; 12.41,51.55 13.27,52.41 J4.8 ; 12.41,51.55 11.61,50.76 ; 9.61,50.76 8.2,52.17 ; 8.2,52.17 7.94,51.91 v2(6.92,51.91) ; 8.2,52.17 5.86,54.5 ; 11.61,50.76 C28.2 ; 11.61,50.76 11.9,51.05 13.17,51.05 13.6,50.61 J4.2 ; v2(21.81,61.26) 21.8,61.26 C23.1 14.68,61.26 10.59,57.17 9.19,57.17 8.31,56.29 6.46,56.29 5.86,55.69 ; v2(18.1,59.27) 16.92,59.27 J4.31
  Bottom w0.25: v2(18.1,59.27) 21.2,59.27 21.81,59.88 v2(21.81,61.26) ; D3.1 5.92,54.05 5.92,52.41 5.35,51.85 ; 5.35,51.85 C30.1 ; 5.35,51.85 5.87,52.37 6.47,52.37 v2(6.92,51.91)
/Power Supply/5VSB: length 32.1
  In2.Cu w1: J2.5 107.6,62.22 90.52,62.22 88.36,60.06 88.36,58.15 ; S2.4 89.69,56.82 88.36,58.15 ; 88.36,58.15 87.49,58.15 83.78,54.45
/SWD Pad/VCC: length 15.6
  Top w0.25: v2(18,29.96) 18,31.29 17.71,31.58 17.71,32.34
  Bottom w0.25: DBG39.1 18.61,29.96 v2(18,29.96) 16.6,29.96 13.88,32.68 13.88,36.25 ; 14.86,37.23 D12.2
GND: length 166.8
  Top w0.25: J4.27 16.18,58.11 v2(15.46,57.4) ; C34.2 v2(33.67,17.42) ; 15.46,58.16 v2(15.46,57.4) ; 15.46,58.16 15.2,58.41 J4.28 ; 15.46,58.16 16.02,58.71 J4.29 ; v2(15.46,57.4) 15.04,57.81 J4.26 ; v2(15.46,57.4) 15.28,57.21 J4.24 ; v2(15.46,57.4) 15.58,57.51 J4.25 ; 85.82,22.34 85.77,22.3 IC5.18 ; C26.1 v2(5.81,45.2) ; J4.20 15.35,56.01 v2(15.46,56.13) 15.65,56.31 J4.21 ; 74.64,40.38 74.6,40.41 Q1.2 ; C19.1 86.82,45.44 v2(86.83,45.46) ; C50.2 86.22,26.11 v2(85.82,26.11) 85.82,27.17 85.6,27.38 IC5.22 ; 21.3,33 21.3,30.47 v2(20.79,29.96) ; C8.1 67.43,31.28 v2(67.08,31.28) 67.08,30.95 IC1.78 ; C43.2 77.77,14.8 77.69,14.72 ; 13.65,19.44 J5.10 ; C22.1 v2(13.35,45.71) ; v2(13.35,45.71) 12.3,46.76 ; v2(13.35,45.71) 14.61,46.97 ; C13.1 62.65,19.24 C15.2 ; X1.3 v2(46.19,38.35) X1.1 ; C12.1 65.75,21.94 v2(65.75,22.6) ; S1.1 v2(68.29,44.19) ; 87.09,34.03 87.11,34.06 C46.2 ; IC1.16 49.65,33.77 v2(49.49,33.77) 48.88,33.77 C16.1 48.48,34.17 48.48,34.74 ; C23.2 21.73,62.9 v2(21.81,62.98) ; C3.2 50.76,35.41 v2(50.76,36.06) ; C20.1 79.34,38.58 v2(78.45,39.47) 79.34,40.36 C18.2 ; v2(89.02,29.86) 89.73,29.86 90.2,29.39 Y2.2 ; v2(42.38,42.92) 42.33,42.87 C2.1 39.73,42.87 C1.1 ; C14.1 54.73,39.61 v2(55.08,39.26) ; LED6.1 100.55,17.43 J6.12 ; C9.1 52.85,38.04 53.25,37.64 v2(53.25,37.53) 53.25,36.54 IC1.7 ; v2(89.37,33.27) 89.79,32.84 R35.1 ; IC1.59 62.16,20.56 v2(62.45,20.56) ; 71.66,20.84 v2(73.12,22.3) ; 72.23,33.73 v1(73.37,33.73) IC5.2 ; v2(55.08,39.26) 55.31,39.04 C4.2 57.07,38.5 C7.1 ; v2(55.08,39.26) 55.08,38.24 IC1.2 ; 69.03,27.91 v2(69.81,28.69) ; IC5.21 85.77,26.11 85.82,26.15 ; 88.34,19.53 J6.10 ; IC6.15 53.8,15.47 v2(53.81,15.49) 53.78,15.52 C54.2 53.78,17.13 C5.2 ; v2(41.62,19.76) 42.91,19.76 ; v2(43.75,15.44) 45.96,15.44 C53.2 ; C39.2 28.11,21.58 v2(27.55,22.14) 27.22,22.47 Y1.2 ; J4.11 17.95,53.31 v2(18.25,53.61) 17.95,53.91 J4.13 ; C38.2 28.1,32.39 28.21,32.5 29.17,32.5 29.43,32.25 29.43,31.94 30.17,31.19 ; C10.1 46.75,31.69 v2(47.21,31.23) 48.26,30.18 ; C47.2 83.98,17.07 v2(83.53,17.52) ; v2(27.7,18.03) 27.7,18.79 27.98,19.07 C36.2 ; C56.2 93.72,32.06 C57.1 ; C11.1 52.17,19.34 v2(52.52,19.68) 52.98,19.68 IC1.44 ; C44.2 81.33,14.9 81.5,14.72 ; v2(7.58,45.2) 7.7,45.32 C27.1 ; 73.12,22.34 73.16,22.3 IC5.11 ; IC2.3 85.65,45.29 ; J4.14 14.9,54.21 v2(15.2,54.51) 14.9,54.81 J4.16 ; v2(87.85,37.28) IC2.6 ; C32.2 21.55,21.84 v2(22.06,21.33) ; C42.2 v2(91.4,23.61) ; C33.2 v2(37.23,17.42) ; v2(55.59,6.09) 55.03,6.09 53.23,4.29 ; v2(85.82,22.3) 86.22,22.3 C48.2 ; 29.42,27.73 29.42,27.56 29.6,27.38 IC4.21 32.43,27.38 v2(32.48,27.42) 32.48,26.41 32.18,26.11 IC4.22 ; 41.62,19.8 41.58,19.76 IC4.2 ; C37.2 31.23,38.06 v2(31.21,38.09) 33.68,38.09 ; IC4.11 42.09,31.19 42.13,31.23 ; 87.11,31.02 87.11,30.25 ; 93.72,32.2 93.72,32.91 v2(94.08,33.27) IC7.4 ; 62.95,19.81 62.45,20.31 ; C25.1 12.38,46.76 ; LED4.1 25.87,17.33
  In1.Cu w2: DBG1.1 106.69,43.47 J2.1 109.95,44.03 H4.1
  Bottom w0.25: J6.10 90.91,15.5 90.9,15.49
  vias: v1(7.38,57.5) v1(9.82,56.43) v1(11.9,52.57) v1(13.98,4.87) v1(14.95,64.25) v1(15.36,7.97) v1(15.41,32.66) v1(16.47,62.22) v1(17.03,38.7) v1(17.95,4.87) v1(18.51,13.3) v1(19.78,5.17) v1(21.1,7.71) v1(21.5,34.74) v1(23.08,41.24) v1(23.08,4.97) v1(23.94,38.14) v1(24.91,41.39) v1(25.06,5.33) v1(25.52,6.44) v1(25.67,38.45) v1(26.02,36.21) v1(28.72,16.81) v1(32.48,24.53) v1(32.83,31.84) v1(32.78,19.9) v1(32.88,10.25) v1(32.93,6.95) v1(33.09,33.98) v1(34.51,30.73) v1(34.51,21.99) v1(34.61,26.51) v1(34.66,19.5) v1(34.86,5.27) v1(35.32,7.92) v1(35.68,10.76) v1(36.29,24.63) v1(36.39,30.67) v1(36.39,20.51) v1(36.69,33.37) v1(37.25,15.23) v1(37.45,4.26) v1(37.66,6.34) v1(37.76,34.03) v1(37.96,10.41) v1(38.06,23.05) v1(38.11,29.15) v1(38.22,31.84) v1(38.27,27.12) v1(38.27,19.7) v1(38.27,13.96) v1(51.63,25.39) v1(53.41,29.61) v1(53.66,32.91) v1(57.01,29.1) v1(57.16,36.97) v1(58.49,25.29) v1(58.99,34.38) v1(60.37,32.6) v1(68.7,19.6) v1(69.05,32.5) v1(69.97,24.98) v1(71.54,29.86) v1(72.61,4.31) v1(72.81,12.95) v1(75.53,14.98) v1(76.53,18.49) v1(77.64,10.56) v1(77.84,2.99) v1(77.9,20.82) v1(77.94,5.83) v1(78.7,12.84) v1(79.54,18.28) v1(81.2,20.82) v1(81.5,10.91) v1(82.51,18.49) v1(83.78,14.98) v1(85.71,5.33) v1(85.82,13.91) v1(86.88,2.89) v1(87.09,6.19) v1(88.61,7.61) v1(93.18,9.9) v1(93.61,5.27) v1(95.77,7.92) v1(96.59,5.48) v1(96.74,51.55) v1(99.53,5.58) v1(101.06,10.15) v1(103.09,51.55) v2(42.13,31.19) v2(74.6,40.63) v2(77.73,14.88) v2(81.33,14.72) v2(87.11,34.28) v2(87.11,30.22) v2(90.91,15.49)
